# Allegro board 038RT-9068CJK8E-A100_0921.brd (continued)
## Routing (per net, layer and track width the routed paths; a pad name or vN(x,y) marks a point on that pad's centre or on a via; arc(x,y) is an arc through that point) (continued)
  BOTTOM w0.203: UNK1ST6.1 v2(398.7,183.43)
  vias: v1(396.59,191.6) v1(399.7,203.02) v1(399.7,201.42) v1(402.1,204.62) v1(402.1,202.22) v1(402.1,201.42) v1(402.9,205.42) v1(404.5,204.62) v1(404.5,203.02)
S1_GPIOA_0: length 59.3
  L07_SIGNAL w0.105: v1(398.1,205.42) 397.5,206.02 396.67,206.02 396.17,206.51 390.06,206.51 388.33,208.24 385.31,208.24 381.67,211.89 364.68,211.89 356.33,220.23 346.19,220.23 v1(345.31,221.11)
S1_GPIOA_1: length 169.2
  L36_SIGNAL w0.102: 397.68,204.2 v1(398.1,204.62)
  L36_SIGNAL w0.105: v1(541.36,224.93) 541.92,224.37 541.92,220.95 534.7,213.73 518.95,213.73 516.81,211.59 471.33,211.59 461.45,201.7 442.31,201.7 436.08,195.47 398.95,195.47 395.78,198.65 395.78,202.3 397.68,204.2
S1_GPIOA_2: length 163.5
  L36_SIGNAL w0.102: 397.68,203.4 v1(398.1,203.82)
  L36_SIGNAL w0.105: 397.68,203.4 396.58,202.3 396.58,199.34 399.64,196.27 435.75,196.27 441.98,202.5 461.12,202.5 471,212.39 516.48,212.39 518.62,214.53 534.36,214.53 541.36,221.53 v1(541.36,223.4)
S1_GPIOA_3: length 57.5
  L07_SIGNAL w0.105: v1(345.31,210.11) 347.62,207.79 361.29,207.79 368.19,200.9 395.97,200.9 v1(398.1,203.02)
S1_GPIOB_0: length 61.8
  L07_SIGNAL w0.102: 397.68,206.62 398.4,206.62 398.5,206.52 398.5,205.82 v1(398.9,205.42)
  L07_SIGNAL w0.105: v1(345.31,224.28) 348.59,221 356.9,221 363.27,214.63 382.41,214.63 385.45,211.59 387.72,211.59 391.72,207.59 395.88,207.59 396.85,206.62 397.68,206.62
S1_GPIOB_1: length 59.4
  L07_SIGNAL w0.102: 397.92,204.22 398.5,204.22 v1(398.9,204.62)
  L07_SIGNAL w0.105: 397.92,204.22 397.66,204.48 385.19,204.48 381.98,207.69 365.74,207.69 356.77,216.67 346.55,216.67 v1(345.31,217.91)
S1_GPIOB_2: length 58.7
  L07_SIGNAL w0.102: 397.87,203.42 398.5,203.42 v1(398.9,203.82)
  L07_SIGNAL w0.105: v1(345.31,213.31) 347.33,211.29 359.23,211.29 366.2,204.32 382.4,204.32 384.37,202.34 396.63,202.34 397.45,203.16 397.6,203.16 397.87,203.42
S1_GPIOC_0: length 65.2
  L07_SIGNAL w0.102: v1(400.5,205.42) 400.1,205.82 400.1,207.33 400.01,207.42 397.68,207.42
  L07_SIGNAL w0.105: 397.68,207.42 397.01,207.42 395.93,208.5 391.62,208.5 387.25,212.87 385.54,212.87 382.99,215.42 364.18,215.42 355.17,224.43 348.33,224.43 v1(345.31,227.46)
S1_GPIOC_1: length 67.8
  L07_SIGNAL w0.102: 397.68,208.22 400.76,208.22 400.9,208.08 400.9,205.82 v1(401.3,205.42)
  L07_SIGNAL w0.105: 397.68,208.22 397.02,208.22 396.17,209.07 395.62,209.07 388.46,216.24 366.48,216.24 362.05,220.67 360.07,220.67 355.45,225.28 350.68,225.28 v1(345.31,230.66)
S1_H_SW_CTRL: length 2.4
  BOTTOM w0.115: S1_SW_CTRL.1 659.93,14.91 UNK1R137.2
S1_HOLD: length 27
  L03_SIGNAL w0.102: 412.92,203.42 410.5,203.42 v1(410.1,203.82)
  L03_SIGNAL w0.145: v1(435.24,201.45) 434.58,202.11 427.84,202.11 426.75,201.02 417.37,201.02 414.97,203.42 412.92,203.42
S1_INH: length 316.3
  L17_SIGNAL w1.016: 397,206.96 396.68,207.28 391.46,207.28 390.06,205.88 390.06,201.22 379.4,190.56 379.4,176.98 393.9,162.48 393.9,89.29 405.91,77.27 517.45,77.27 535.67,59.05 535.67,45.47 530.42,40.21 UNK1K6.5
  BOTTOM w1.016: UNK1K6.5 UNK1R275.1 UNK1R360.1
  vias: v1(400.5,207.02)
S1_INH_DIV2: length 4.3
  BOTTOM w1.016: UNK1K6.3 UNK1R361.1 UNK1R360.2
S1_INH_GND: length 9.4
  BOTTOM w1.016: UNK1R361.2 529.58,31.32 UNK1K6.9
S1_L_SW_CTRL: length 2
  BOTTOM w0.115: UNK1R138.2 S1_SW_CTRL.3
S1_LB_FE_MDI+: length 32.5
  L44_SIGNAL w0.1: v2(653.94,39.16) 653.74,38.96 651.12,38.96 651.02,39.06 651.02,39.45 650.56,39.91 650.56,40.88 650.74,41.06 651.72,41.06 652.11,40.66 656.76,40.66 656.86,40.56 659.03,40.56 659.34,40.87 659.34,42.08 658.93,42.49 656.85,42.49 656.68,42.32 655.64,42.32 654.41,43.55 651.43,43.55 651.02,43.96 648.9,43.96 v2(648.7,44.16)
  BOTTOM w0.105: v2(648.7,44.16) 648.85,44.02 651.3,44.02 UNK1U6.53 ; UNK1U6.43 651.34,39.02 653.8,39.02 v2(653.94,39.16)
S1_LB_FE_MDI-: length 32.5
  L44_SIGNAL w0.1: v2(653.94,38.4) 653.74,38.6 650.97,38.6 650.66,38.91 650.66,39.3 650.2,39.76 650.2,41.03 650.59,41.42 651.87,41.42 652.27,41.02 656.91,41.02 657.01,40.92 658.88,40.92 658.98,41.02 658.98,41.93 658.78,42.12 657,42.12 656.83,41.96 655.49,41.96 654.26,43.19 651.28,43.19 650.87,43.6 648.9,43.6 v2(648.7,43.4)
  BOTTOM w0.105: v2(653.94,38.4) 653.8,38.55 651.34,38.55 UNK1U6.42 ; v2(648.7,43.4) 648.85,43.55 651.3,43.55 UNK1U6.52
S1_LB_FE_MDIX+: length 31
  L44_SIGNAL w0.1: v2(653.94,47.16) 654.14,46.96 654.52,46.96 654.83,46.65 654.83,45.64 654.25,45.06 652.43,45.06 650.48,47.01 649.29,47.01 647.31,45.03 647.31,38.73 650.07,35.96 653.74,35.96 v2(653.94,36.16)
  BOTTOM w0.105: v2(653.94,47.16) 653.8,47.02 651.34,47.02 UNK1U6.59 ; v2(653.94,36.16) 653.8,36.02 651.34,36.02 UNK1U6.37
S1_LB_FE_MDIX-: length 31
  L44_SIGNAL w0.1: v2(653.94,35.4) 653.74,35.6 649.92,35.6 646.94,38.58 646.94,45.18 649.14,47.37 650.63,47.37 652.58,45.42 654.1,45.42 654.47,45.79 654.47,46.5 654.37,46.6 654.14,46.6 v2(653.94,46.4)
  BOTTOM w0.105: v2(653.94,46.4) 653.8,46.55 651.34,46.55 UNK1U6.58 ; UNK1U6.36 651.34,35.55 653.8,35.55 v2(653.94,35.4)
S1_LB_P2_GIGA_MDI+: length 14.8
  L46_SIGNAL w0.136: v3(650.44,226.13) 650.33,226.23 650.33,227.15 650.67,227.49 651.58,227.49 652.07,227.98 652.07,228.96 v3(652.17,229.07)
  BOTTOM w0.105: UNK1K144.23 648.93,224.5 649.68,224.5 650.34,225.15 650.34,226.03 v3(650.44,226.13) ; UNK1K144.25 648.93,223.5 650.36,223.5 652.07,225.21 652.07,228.97 v3(652.17,229.07)
S1_LB_P2_GIGA_MDI-: length 14.8
  L46_SIGNAL w0.136: v3(651.51,229.07) 651.61,228.96 651.61,228.17 651.39,227.94 650.48,227.94 649.88,227.34 649.88,226.23 v3(649.78,226.13)
  BOTTOM w0.105: UNK1K144.22 648.93,224.96 649.49,224.96 649.88,225.35 649.88,226.03 v3(649.78,226.13) ; v3(651.51,229.07) 651.61,228.97 651.61,228.13 651.42,227.95 650.81,227.95 650.62,227.76 650.62,227.5 650.81,227.32 651.42,227.32 651.61,227.13 651.61,225.4 650.17,223.96 648.93,223.96 UNK1K144.24
S1_LB_P3_GIGA_MDI+: length 15
  L46_SIGNAL w0.136: v3(655.18,217.62) 655.08,217.73 654.47,217.73 653.98,218.21 653.98,219.63 653.61,220 652.85,220 v3(652.74,219.9)
  BOTTOM w0.105: v3(652.74,219.9) 652.65,220 648.93,220 UNK1K144.32 ; v3(655.18,217.62) 655.09,217.72 652.52,217.72 651.24,219 648.93,219 UNK1K144.34
S1_LB_P3_GIGA_MDI-: length 15
  L46_SIGNAL w0.136: v3(652.74,220.56) 652.85,220.46 653.8,220.46 654.44,219.82 654.44,218.4 654.66,218.18 655.08,218.18 v3(655.18,218.28)
  BOTTOM w0.105: UNK1K144.33 648.93,219.46 651.44,219.46 652.71,218.18 655.09,218.18 v3(655.18,218.28) ; v3(652.74,220.56) 652.65,220.46 648.93,220.46 UNK1K144.31
S1_LDOIN: length 32.4
  TOP w0.508: v1(412.05,191) 411.07,190.02 411.07,180.87 410.69,180.49 S1_LDOIN.1
  L15_SIGNAL w0.102: v1(407.7,207.82) 408.1,207.42 408.1,198.6
  L15_SIGNAL w0.105: 408.1,198.6 408.1,198.6 408.12,198.58
  L15_SIGNAL w0.203: 408.12,198.58 410.02,196.67 410.02,194.11 410.93,193.2 v2(412.79,193.2)
  BOTTOM w0.203: UNK1ST3.1 v2(412.79,193.2)
  vias: v1(402.9,207.02) v1(402.9,206.22) v1(406.9,207.82) v1(406.9,207.02) v1(407.7,207.02) v1(412.05,191.64)
S1_MCT1: length 5
  TOP w0.115: UNK1R134.1 v2(636.62,127.72) ; UNK1T12.2 v2(633.45,127.72)
  L03_SIGNAL w0.145: v2(633.45,127.72) v2(636.62,127.72)
S1_MCT2: length 11.9
  TOP w0.115: UNK1R133.1 v2(630.59,127.72) ; UNK1T12.7 v2(639.8,127.72)
  L03_SIGNAL w0.145: v2(639.8,127.72) 638.76,128.76 631.63,128.76 v2(630.59,127.72)
S1_MCT_RC: length 8.7
  L03_SIGNAL w0.145: v2(628.37,126.47) 628.7,126.13 v2(630.59,126.13) 630.91,126.45 636.3,126.45 v2(636.62,126.13)
S1_NGATE:
  vias: v1(401.3,209.42)
S1_OE_K144: length 17.3
  BOTTOM w0.115: UNK1K144.10 643.1,221.48 642.61,221.97 640.75,221.97 UNK1RL18.1 639.43,221.66 639.43,217.25 640.88,215.8 643.87,215.8 644.93,216.86 UNK1K144.1
S1_OE_K145: length 9.5
  L42_SIGNAL w0.203: v1(663.52,231.86) 664.7,230.68 664.7,229.99 v1(666.73,227.96)
  BOTTOM w0.115: UNK1K145.1 v1(663.52,231.86) ; UNK1K145.10 664.65,226.83 665.31,227.49 665.95,227.49 666.42,227.96 v1(666.73,227.96)
S1_OE_K184: length 14.2
  BOTTOM w0.115: UNK1K184.10 550.13,192.16 550,192.3 547.35,192.3 UNK1RL21.1 546.71,188.7 548.65,186.76 550,186.76 550.9,187.66 UNK1K184.1
S1_OE_K213: length 15.4
  BOTTOM w0.115: UNK1K213.1 442.79,189.12 441.89,188.21 440.11,188.21 438.17,190.15 438.17,192.86 UNK1RL42.1 438.55,193.75 441.88,193.75 442.02,193.62 UNK1K213.10
S1_OE_K214: length 14.1
  BOTTOM w0.115: UNK1K214.1 465,189.12 464.1,188.21 462.75,188.21 460.81,190.15 460.81,192.96 UNK1RL44.1 461.6,193.75 464.1,193.75 464.23,193.62 UNK1K214.10
S1_OE_K217: length 8.3
  BOTTOM w0.115: UNK1K217.1 550.47,203.82 549.08,205.2 UNK1RL39.1 549.35,207.07 549.74,207.46 549.74,208.09 549.96,208.32 UNK1K217.10
S1_P0_LDOOUT:
  vias: v1(402.9,207.82) v1(403.7,207.82)
S1_P0_LED: length 20.5
  L05_SIGNAL w0.102: 412.92,207.42 409.7,207.42 v1(409.3,207.82)
  L05_SIGNAL w0.105: 412.92,207.42 413.01,207.33 415.64,207.33 417.38,209.07 v1(428.89,209.07)
S1_P0_MDI+: length 28.8
  TOP w0.105: UNK1K60.3 379.01,204.93 379.12,204.83 381.87,204.83 383.45,206.41 383.45,209.93 385.87,212.36 395.26,212.36 397.45,214.55 399.05,214.55 399.53,214.06 399.53,213.59 SITE1.A3
S1_P0_MDI-: length 28.8
  TOP w0.105: SITE1.A2 399.06,213.59 399.06,213.87 398.85,214.08 397.64,214.08 395.45,211.89 386.06,211.89 383.91,209.74 383.91,208.02 384.04,207.89 384.13,207.89 384.25,207.77 384.25,207.6 384.13,207.47 384.04,207.47 383.91,207.35 383.91,207.18 384.04,207.05 384.13,207.05 384.25,206.93 384.25,206.76 384.13,206.63 384.04,206.63 383.91,206.51 383.91,206.22 382.06,204.36 379.12,204.36 379.01,204.26 UNK1K60.6
S1_P0_RXC: length 158.1
  L13_SIGNAL w0.102: v1(398.1,208.62) 398.5,209.02 398.5,212.98 399.35,213.84
  L13_SIGNAL w0.105: 399.35,213.84 401.26,215.75 426.85,215.75 428.72,217.62 430.7,217.62 434.47,221.39 445.41,221.39 445.82,221.81 467.19,221.81 470.01,218.99 490.7,218.99 492.23,220.52 506.55,220.52 508.07,219 508.07,216.84 508.67,216.24 510.91,216.24 511.68,217.01 511.68,219.9 512.46,220.68 522.27,220.68 523.03,219.92 523.03,216.54 523.64,215.93 526.29,215.93 526.83,216.46 526.83,223.8 525.7,224.93 v1(525.6,224.93)
S1_P0_RXD0: length 154.8
  L13_SIGNAL w0.102: 397.85,205.82 398.5,205.82 v1(398.9,206.22)
  L13_SIGNAL w0.105: 397.85,205.82 397.67,205.82 395.64,207.85 395.64,217.42 406.21,227.99 426.02,227.99 428.57,225.44 441.82,225.44 442.16,225.11 493.02,225.11 493.41,224.72 507.42,224.72 508.01,224.13 509.95,224.13 510.52,223.56 522.85,223.56 524.36,222.04 524.36,218.43 v1(525.6,217.19)
S1_P0_RXD1: length 130.1
  L13_SIGNAL w0.105: v1(398.1,206.22) 396.23,208.09 396.23,215.01 401.66,220.44 413.6,220.44 420.17,227.01 425.73,227.01 428.72,224.02 466.84,224.02 467.35,224.53 492.78,224.53 493.17,224.14 507.08,224.14 507.82,223.4 v1(509.84,223.4)
S1_P0_RXD2: length 156
  L13_SIGNAL w0.102: 397.83,205.02 399.17,205.02 399.3,205.15 399.3,206.62 v1(398.9,207.02)
  L13_SIGNAL w0.105: v1(525.6,223.4) 523.85,223.4 522.98,224.28 511.82,224.28 509.09,227.01 445.86,227.01 444.89,226.04 429.06,226.04 426.35,228.75 405.83,228.75 395.07,217.98 395.07,207.2 397.24,205.02 397.83,205.02
S1_P0_RXD3: length 161.4
  L13_SIGNAL w0.105: v1(398.1,207.02) 396.81,208.3 396.81,213.82 400.53,217.54 424.27,217.54 430.05,223.31 480.82,223.31 481.45,223.95 492.54,223.95 492.93,223.55 506.84,223.55 509.1,221.29 522.58,221.29 523.61,220.26 523.61,216.97 524,216.59 526.12,216.59 526.25,216.72 526.25,223.56 525.1,224.7 525.1,225.55 526.03,226.48 526.03,229.84 525.6,230.28 v1(525.6,231.14)
S1_P0_RXDV: length 161.6
  L13_SIGNAL w0.102: 397.83,204.22 399.89,204.22 400.1,204.43 400.1,207.31 399.99,207.42 399.3,207.42 v1(398.9,207.82)
  L13_SIGNAL w0.105: v1(525.6,229.61) 523.07,227.08 510.06,227.08 509.47,227.67 445.35,227.67 445.04,227.37 428.94,227.37 426.9,229.41 405.34,229.41 394.4,218.47 394.4,217.13 393.48,216.21 393.48,212.94 394.37,212.05 394.37,206.8 396.96,204.22 397.83,204.22
S1_P0_RXER: length 126.1
  L13_SIGNAL w0.102: 397.68,209.7 397.7,209.68 397.7,208.22 v1(398.1,207.82)
  L13_SIGNAL w0.105: v1(509.84,217.19) 509.26,217.77 509.26,218.8 507.03,221.03 506.82,221.03 506.78,221.08 492,221.08 491.98,221.06 491.84,221.06 490.42,219.64 470.28,219.64 467.42,222.51 445.43,222.51 444.89,221.96 433.87,221.96 430.54,218.64 428.46,218.64 426.49,216.66 400.47,216.66 397.52,213.71 397.52,209.86 397.68,209.7
S1_P0_TESTD: length 127.9
  L07_SIGNAL w0.102: 399.41,213.84 398.5,212.92 398.5,209.02 v1(398.9,208.62)
  L07_SIGNAL w0.105: 399.41,213.84 409.74,224.17 414.54,224.17 423.01,232.64 469.66,232.64 478.2,224.11 509.02,224.11 v1(509.84,224.93)
S1_P0_TXC: length 136.3
  L11_SIGNAL w0.102: v1(398.9,210.22) 398.5,209.82 398.5,209.25 398.27,209.02 397.93,209.02 397.93,209.02 397.68,209.02
  L11_SIGNAL w0.105: 397.68,209.02 397.49,209.02 397.47,209 397.06,209 395.21,210.85 395.21,217.05 411.56,233.4 508.56,233.4 510.34,231.62 510.34,230.11 v1(509.84,229.61)
S1_P0_TXD0: length 110.7
  L11_SIGNAL w0.102: 397.85,210.62 398.5,210.62 v1(398.9,211.02)
  L11_SIGNAL w0.105: v1(494.08,229.61) 493.69,230 425.1,230 423.09,227.98 412.89,227.98 403.11,218.2 399.79,218.2 398.29,216.7 397.5,216.7 396.6,215.81 396.6,211.38 397.36,210.62 397.85,210.62
S1_P0_TXD1: length 123
  L11_SIGNAL w0.105: v1(398.1,211.02) 397.39,211.72 397.39,214.3 400.57,217.48 425.28,217.48 427.01,219.21 467.44,219.21 468.35,220.12 490.87,220.12 498.44,227.7 506.4,227.7 v1(509.84,231.14)
S1_P0_TXD2: length 131.9
  L11_SIGNAL w0.102: 399.3,213.84 399.3,212.22 v1(398.9,211.82)
  L11_SIGNAL w0.105: v1(525.6,218.72) 524.5,217.62 494.66,217.62 493.51,218.77 468.9,218.77 467.56,217.43 427.18,217.43 426.07,216.32 401.06,216.32 399.3,214.55 399.3,213.84
S1_P0_TXD3: length 117.1
  L11_SIGNAL w0.102: v1(398.1,211.82) 398.5,212.22 398.5,213.02
  L11_SIGNAL w0.105: v1(509.84,218.72) 509.3,218.17 494.89,218.17 493.6,219.47 468.69,219.47 467.34,218.12 427.03,218.12 425.8,216.88 400.81,216.88 398.61,214.68 398.61,213.13 398.5,213.02
S1_P0_TXEN: length 112.2
  L11_SIGNAL w0.105: v1(398.1,210.22) 397.83,209.95 396.91,209.95 395.92,210.95 395.92,216.06 397.22,217.36 398.17,217.36 399.68,218.87 402.68,218.87 412.47,228.66 422.79,228.66 424.79,230.67 493.61,230.67 v1(494.08,231.14)
S1_P0_VDDIO: length 0.8
  BOTTOM w0.508: UNK1CD138.1 397.32,212.62 v1(398.1,212.62)
  vias: v1(393.96,215.23) v1(394.6,215.23) v1(398.1,209.42) v1(398.9,209.42)
S1_P1_LDOOUT:
  vias: v1(407.7,206.22) v1(407.7,205.42)
S1_P1_LED: length 22.8
  L03_SIGNAL w0.102: 412.92,206.62 410.5,206.62 v1(410.1,207.02)
  L03_SIGNAL w0.145: 412.92,206.62 414.63,206.62 414.98,206.96 427.16,206.96 427.58,207.38 431.2,207.38 v1(432.06,206.53)
S1_P1_MDI+: length 67.1
  L03_SIGNAL w0.136: UNK1K64.3 350,204.24 349.86,204.37 346.51,204.37 345.79,205.09 345.79,207.61 346.61,208.43 381.96,208.43 385.49,211.96 387.71,211.96 388.31,212.55 395.02,212.55 397.07,214.6 399.17,214.6 400.32,213.45 400.32,212.79 v1(400.5,212.62)
S1_P1_MDI-: length 67.1
  L03_SIGNAL w0.136: v1(399.7,212.62) 399.87,212.79 399.87,213.26 398.98,214.15 397.26,214.15 395.21,212.1 394.82,212.1 394.66,211.94 394.66,211.7 394.5,211.54 394.28,211.54 394.12,211.7 394.12,211.94 393.96,212.1 393.73,212.1 393.58,211.94 393.58,211.7 393.42,211.54 393.19,211.54 393.03,211.7 393.03,211.94 392.87,212.1 392.65,212.1 392.49,211.94 392.49,211.7 392.33,211.54 392.1,211.54 391.94,211.7 391.94,211.94 391.79,212.1 388.5,212.1 387.9,211.5 385.67,211.5 382.15,207.98 346.8,207.98 346.25,207.43 346.25,205.28 346.7,204.82 349.86,204.82 350,204.96 UNK1K64.6
S1_P1_RXC: length 47.2
  L07_SIGNAL w0.102: 412.92,202.64 412.9,202.62 412.1,202.62 412.1,202.62 v1(411.7,202.22)
  L07_SIGNAL w0.105: v1(440.02,224.7) 442.61,222.1 442.61,218.25 441.7,217.33 441.62,217.33 441.35,217.06 441.35,216.98 437.31,212.95 428.15,212.95 424.19,208.99 418.15,208.99 417.15,207.98 417.15,205.43 414.36,202.64 412.92,202.64
  BOTTOM w0.115: UNK1RR524.1 v1(440.02,224.7) UNK1RR534.1
S1_P1_RXD0: length 52.7
  L07_SIGNAL w0.102: v1(411.7,204.62) 410.5,205.82 410.5,213.84
  L07_SIGNAL w0.105: 410.5,213.84 411.49,214.83 423.42,214.83 429.59,221 429.59,223.79 433.38,227.59 437.54,227.59 438.36,226.76 438.36,224.38 439.49,223.26 439.49,222.23 440.02,221.7 v1(440.02,220.64)
  BOTTOM w0.115: UNK1RR530.1 v1(440.02,220.64) UNK1RR520.1
S1_P1_RXD1: length 42.3
  L07_SIGNAL w0.105: v1(412.5,204.62) 413.34,204.62 415.33,206.61 415.33,208.07 417.74,210.47 423.32,210.47 428.9,216.05 437.12,216.05 438.44,217.38 438.44,221.11 437.51,222.04 435.98,222.04 435.71,222.31 435.71,224.21 v1(436.21,224.7)
  BOTTOM w0.115: UNK1RR531.1 v1(436.21,224.7) UNK1RR521.1
S1_P1_RXD2: length 60.2
  L07_SIGNAL w0.102: 409.7,213.84 409.7,204.34 409.82,204.22 411.3,204.22 v1(411.7,203.82)
  L07_SIGNAL w0.105: 409.7,213.84 409.7,214.06 411.19,215.55 423.02,215.55 428.89,221.42 428.89,225.37 431.66,228.14 438.66,228.14 439.46,227.35 439.46,224.1 440.57,222.99 440.57,219.16 v1(440.02,218.61)
  BOTTOM w0.115: UNK1RR522.1 v1(440.02,218.61) UNK1RR532.1
S1_P1_RXD3: length 42.9
  L07_SIGNAL w0.105: v1(412.5,203.82) 412.66,203.98 413.5,203.98 415.89,206.38 415.89,207.58 418.12,209.8 423.52,209.8 427.35,213.63 437.21,213.63 439.45,215.86 439.45,221.3 437.57,223.17 436.71,223.17 v1(436.21,222.67)
  BOTTOM w0.115: UNK1RR523.1 v1(436.21,222.67) UNK1RR533.1
S1_P1_RXDV: length 55.5
  L07_SIGNAL w0.102: 408.9,213.84 408.9,203.66 409.13,203.42 411.3,203.42 v1(411.7,203.02)
  L07_SIGNAL w0.105: v1(440.02,226.73) 440.02,227.66 438.44,229.23 431.65,229.23 428.14,225.71 428.14,221.94 422.52,216.33 410.82,216.33 408.9,214.41 408.9,213.84
  BOTTOM w0.115: UNK1RR535.1 v1(440.02,226.73) UNK1RR525.1
S1_P1_TXC: length 189.6
  L11_SIGNAL w0.105: v1(412.5,201.42) 413.45,201.42 416.28,204.25 428.08,204.25 428.44,204.61 464.19,204.61 466.17,206.58 477.76,206.58 494.18,190.17 515.01,190.17 526.2,178.97 584.44,178.97 585.41,179.94 585.41,180.78 v1(586.33,181.7)
  BOTTOM w0.115: UNK1RR514.1 v1(586.33,181.7) UNK1RR504.1
S1_P1_TXD0: length 196.7
  L11_SIGNAL w0.105: v1(412.5,199.82) 412.84,199.48 414.29,199.48 414.77,199.96 422.41,199.96 423.21,200.75 438.54,200.75 439.88,202.09 465.47,202.09 466.86,203.47 475.86,203.47 491.98,187.35 511.9,187.35 522.86,176.39 588.78,176.39 591.17,178.79 591.17,180.45 v1(592.43,181.7)
  BOTTOM w0.115: UNK1RR510.1 v1(592.43,181.7) UNK1RR500.1
S1_P1_TXD1: length 194.5
  L11_SIGNAL w0.102: 412.92,200.13 412.89,200.13 412.79,200.22 412.1,200.22 v1(411.7,199.82)
  L11_SIGNAL w0.105: 412.92,200.13 413.96,200.13 414.4,200.56 421.69,200.56 423.46,202.33 438.75,202.33 439.25,202.82 465.21,202.82 466.51,204.12 476.16,204.12 492.11,188.17 512.49,188.17 522.96,177.71 587.72,177.71 589.65,179.64 589.65,180.96 v1(590.4,181.7)
  BOTTOM w0.115: UNK1RR511.1 v1(590.4,181.7) UNK1RR501.1
S1_P1_TXD2: length 201.8
  L11_SIGNAL w0.105: v1(411.7,199.02) 412.25,198.47 414.44,198.47 415.26,199.29 422.82,199.29 423.62,200.08 438.84,200.08 440.13,201.37 447.12,201.37 447.86,200.63 465.13,200.63 467.31,202.81 474.32,202.81 490.98,186.15 511.78,186.15 522.1,175.83 592.31,175.83 593.27,176.79 593.27,180.51 v1(594.46,181.7)
  BOTTOM w0.115: UNK1RR512.1 v1(594.46,181.7) UNK1RR502.1
S1_P1_TXD3: length 206.7
  L11_SIGNAL w0.102: 410.57,198.6 410.5,198.67 410.5,199.42 v1(410.9,199.82)
  L11_SIGNAL w0.105: 410.57,198.6 411.28,197.89 422.4,197.89 423.98,199.47 439.18,199.47 440.43,200.72 446.81,200.72 447.46,200.07 465.6,200.07 467.52,201.99 474.32,201.99 491,185.32 511.24,185.32 521.3,175.26 594.2,175.26 595.51,176.57 595.51,180.73 v1(596.49,181.7)
  BOTTOM w0.115: UNK1RR503.1 v1(596.49,181.7) UNK1RR513.1
S1_P1_TXEN: length 191
  L11_SIGNAL w0.102: 412.92,200.76 412.61,200.76 412.5,200.65 v1(412.5,200.62)
  L11_SIGNAL w0.105: 412.92,200.76 413.67,200.76 414.07,201.16 421.29,201.16 423.04,202.92 438.29,202.92 438.83,203.46 464.8,203.46 466.09,204.75 476.67,204.75 492.38,189.04 512.91,189.04 523.53,178.42 585.91,178.42 587.55,180.06 587.55,180.89 v1(588.37,181.7)
  BOTTOM w0.115: UNK1RR515.1 v1(588.37,181.7) UNK1RR505.1
S1_P1_VDDIO:
  vias: v1(410.9,202.22) v1(411.7,201.42) v1(412.5,202.22) v1(417.46,202.26) v1(418.28,201.75) v1(418.92,201.75)
S1_P2_GIGA_MDI+: length 5.6
  BOTTOM w0.105: v1(410.1,213.42) 409.93,213.59 409.93,214.21 407.43,216.71 407.43,217.32 UNK1T18.3
S1_P2_GIGA_MDI-: length 5.6
  BOTTOM w0.105: v1(409.3,213.42) 409.46,213.59 409.46,214.02 406.96,216.52 406.96,217.32 UNK1T18.4
S1_P2_LED: length 27.1
  L05_SIGNAL w0.102: v1(409.3,207.02) 409.7,206.62 412.92,206.62
  L05_SIGNAL w0.105: v1(435.24,209.07) 434.3,208.13 428.65,208.13 427.43,206.91 416.53,206.91 416.24,206.62 412.92,206.62
S1_P3_GIGA_MDI+: length 5.6
  BOTTOM w0.105: UNK1T23.3 414.03,217.32 414.03,216.28 411.53,213.77 411.53,213.59 v1(411.7,213.42)
S1_P3_GIGA_MDI-: length 5.6
  BOTTOM w0.105: UNK1T23.4 413.57,217.32 413.57,216.47 411.06,213.97 411.06,213.59 v1(410.9,213.42)
S1_P3_LED: length 20
  L05_SIGNAL w0.102: 412.92,205.82 409.7,205.82 v1(409.3,206.22)
  L05_SIGNAL w0.105: 412.92,205.82 416.68,205.82 417.19,206.32 428.68,206.32 v1(428.89,206.53)
S1_P4_HSI+: length 160.7
  L07_SIGNAL w0.1: v1(549.97,188.74) 550.05,188.66 arc(550.13,188.61) 550.22,188.59 550.68,188.59 arc(550.93,188.54) 551.14,188.4 551.21,188.33 arc(551.36,188.11) 551.41,187.84 551.41,187.03 arc(551.34,186.68) 551.15,186.39 551.15,186.39 arc(550.81,186.16) 550.41,186.08 547.26,186.08 arc(545.54,186.42) 544.08,187.4 542.17,189.31 arc(541.54,189.73) 540.8,189.88 494.58,189.88 arc(490.93,190.6) 487.85,192.67 478.73,201.79 arc(478.22,202.13) 477.63,202.25 442.77,202.25 arc(442.46,202.18) 442.2,202.01 436.08,195.89 arc(435.92,195.78) 435.73,195.74 409.43,195.74 arc(409.24,195.78) 409.07,195.89 407.66,197.3 arc(407.55,197.46) 407.52,197.65 407.52,198.21 arc(407.49,198.35) 407.41,198.46 407.3,198.58 407.3,198.6
  L07_SIGNAL w0.102: 407.3,198.6 407.3,199.21 arc(407.26,199.4) 407.15,199.57 v4(406.9,199.82)
  BOTTOM w0.105: UNK1K184.3 551.57,188.64 550.07,188.64 v1(549.97,188.74)
S1_P4_HSI-: length 160.7
  L07_SIGNAL w0.1: 408.1,198.6 408.1,198.58 407.98,198.46 arc(407.91,198.35) 407.88,198.21 407.88,197.65 arc(407.89,197.6) 407.92,197.56 409.33,196.14 arc(409.37,196.11) 409.43,196.1 435.73,196.1 arc(435.78,196.11) 435.82,196.14 441.95,202.27 arc(442.32,202.52) 442.77,202.61 477.63,202.61 arc(478.36,202.46) 478.98,202.05 488.1,192.93 arc(491.07,190.94) 494.58,190.24 520,190.24 arc(520.12,190.26) 520.22,190.33 520.24,190.35 arc(520.34,190.41) 520.46,190.44 520.6,190.44 arc(520.72,190.41) 520.82,190.35 520.84,190.33 arc(520.94,190.26) 521.06,190.24 521.2,190.24 arc(521.32,190.26) 521.42,190.33 521.44,190.35 arc(521.54,190.41) 521.66,190.44 521.8,190.44 arc(521.92,190.41) 522.02,190.35 522.04,190.33 arc(522.14,190.26) 522.26,190.24 522.4,190.24 arc(522.52,190.26) 522.62,190.33 522.64,190.35 arc(522.74,190.41) 522.86,190.44 523,190.44 arc(523.12,190.41) 523.23,190.35 523.24,190.33 arc(523.34,190.26) 523.46,190.24 523.6,190.24 arc(523.72,190.26) 523.83,190.33 523.84,190.35 arc(523.94,190.41) 524.06,190.44 524.2,190.44 arc(524.32,190.41) 524.43,190.35 524.44,190.33 arc(524.54,190.26) 524.66,190.24 524.8,190.24 arc(524.92,190.26) 525.03,190.33 525.04,190.35 arc(525.14,190.41) 525.26,190.44 525.4,190.44 arc(525.53,190.41) 525.63,190.35 525.64,190.33 arc(525.74,190.26) 525.86,190.24 526.01,190.24 arc(526.13,190.26) 526.23,190.33 526.24,190.35 arc(526.34,190.41) 526.46,190.44 526.61,190.44 arc(526.73,190.41) 526.83,190.35 526.84,190.33 arc(526.94,190.26) 527.06,190.24 527.21,190.24 arc(527.33,190.26) 527.43,190.33 527.44,190.35 arc(527.54,190.41) 527.66,190.44 527.81,190.44 arc(527.93,190.41) 528.03,190.35 528.04,190.33 arc(528.14,190.26) 528.27,190.24 528.41,190.24 arc(528.53,190.26) 528.63,190.33 528.64,190.35 arc(528.75,190.41) 528.87,190.44 529.01,190.44 arc(529.13,190.41) 529.23,190.35 529.24,190.33 arc(529.35,190.26) 529.47,190.24 529.61,190.24 arc(529.73,190.26) 529.83,190.33 529.84,190.35 arc(529.95,190.42) 530.08,190.44 530.2,190.44 arc(530.32,190.42) 530.43,190.35 530.44,190.33 arc(530.55,190.26) 530.67,190.24 530.81,190.24 arc(530.93,190.26) 531.03,190.33 531.04,190.35 arc(531.16,190.42) 531.3,190.45 531.38,190.45 arc(531.52,190.42) 531.63,190.35 531.65,190.33 arc(531.75,190.26) 531.87,190.24 532.01,190.24 arc(532.13,190.26) 532.23,190.33 532.25,190.35 arc(532.36,190.42) 532.5,190.45 532.58,190.45 arc(532.72,190.42) 532.83,190.35 532.85,190.33 arc(532.95,190.26) 533.07,190.24 533.21,190.24 arc(533.33,190.26) 533.43,190.33 533.45,190.35 arc(533.57,190.43) 533.72,190.46 533.76,190.46 arc(533.91,190.43) 534.03,190.35 534.05,190.33 arc(534.15,190.26) 534.27,190.24 534.41,190.24 arc(534.53,190.26) 534.63,190.33 534.65,190.35 arc(534.78,190.43) 534.93,190.46 534.96,190.46 arc(535.11,190.43) 535.23,190.35 535.25,190.33 arc(535.35,190.26) 535.47,190.24 535.61,190.24 arc(535.73,190.26) 535.83,190.33 535.85,190.35 arc(535.97,190.43) 536.12,190.46 536.16,190.46 arc(536.31,190.43) 536.44,190.35 536.45,190.33 arc(536.55,190.26) 536.67,190.24 536.81,190.24 arc(536.93,190.26) 537.04,190.33 537.05,190.35 arc(537.18,190.43) 537.33,190.46 537.36,190.46 arc(537.51,190.43) 537.64,190.35 537.65,190.33 arc(537.75,190.26) 537.87,190.24 540.8,190.24 arc(541.68,190.07) 542.43,189.57 544.34,187.66 arc(545.68,186.76) 547.26,186.45 550.41,186.45 arc(550.67,186.5) 550.89,186.65 550.89,186.65 arc(551.01,186.82) 551.05,187.03 551.05,187.84 arc(551.03,187.97) 550.95,188.07 550.88,188.15 arc(550.79,188.21) 550.68,188.23 550.22,188.23 arc(550.13,188.21) 550.05,188.16 v1(549.97,188.08)
  L07_SIGNAL w0.102: 408.1,198.6 408.1,199.21 arc(408.06,199.4) 407.95,199.57 v4(407.7,199.82)
  BOTTOM w0.105: UNK1K184.2 551.57,188.18 550.07,188.18 v1(549.97,188.08)
